# Altium PCB PokeyMain.PcbDoc (part 3 of 3)
Units mm, origin at the board's own origin, x right, y up, seen from the top; angles counter-clockwise.
Board outline 172.97 x 113.16 mm, 2 copper layers (Top Layer, Bottom Layer); 153 components, 194 nets, 688 pads, 309 vias.
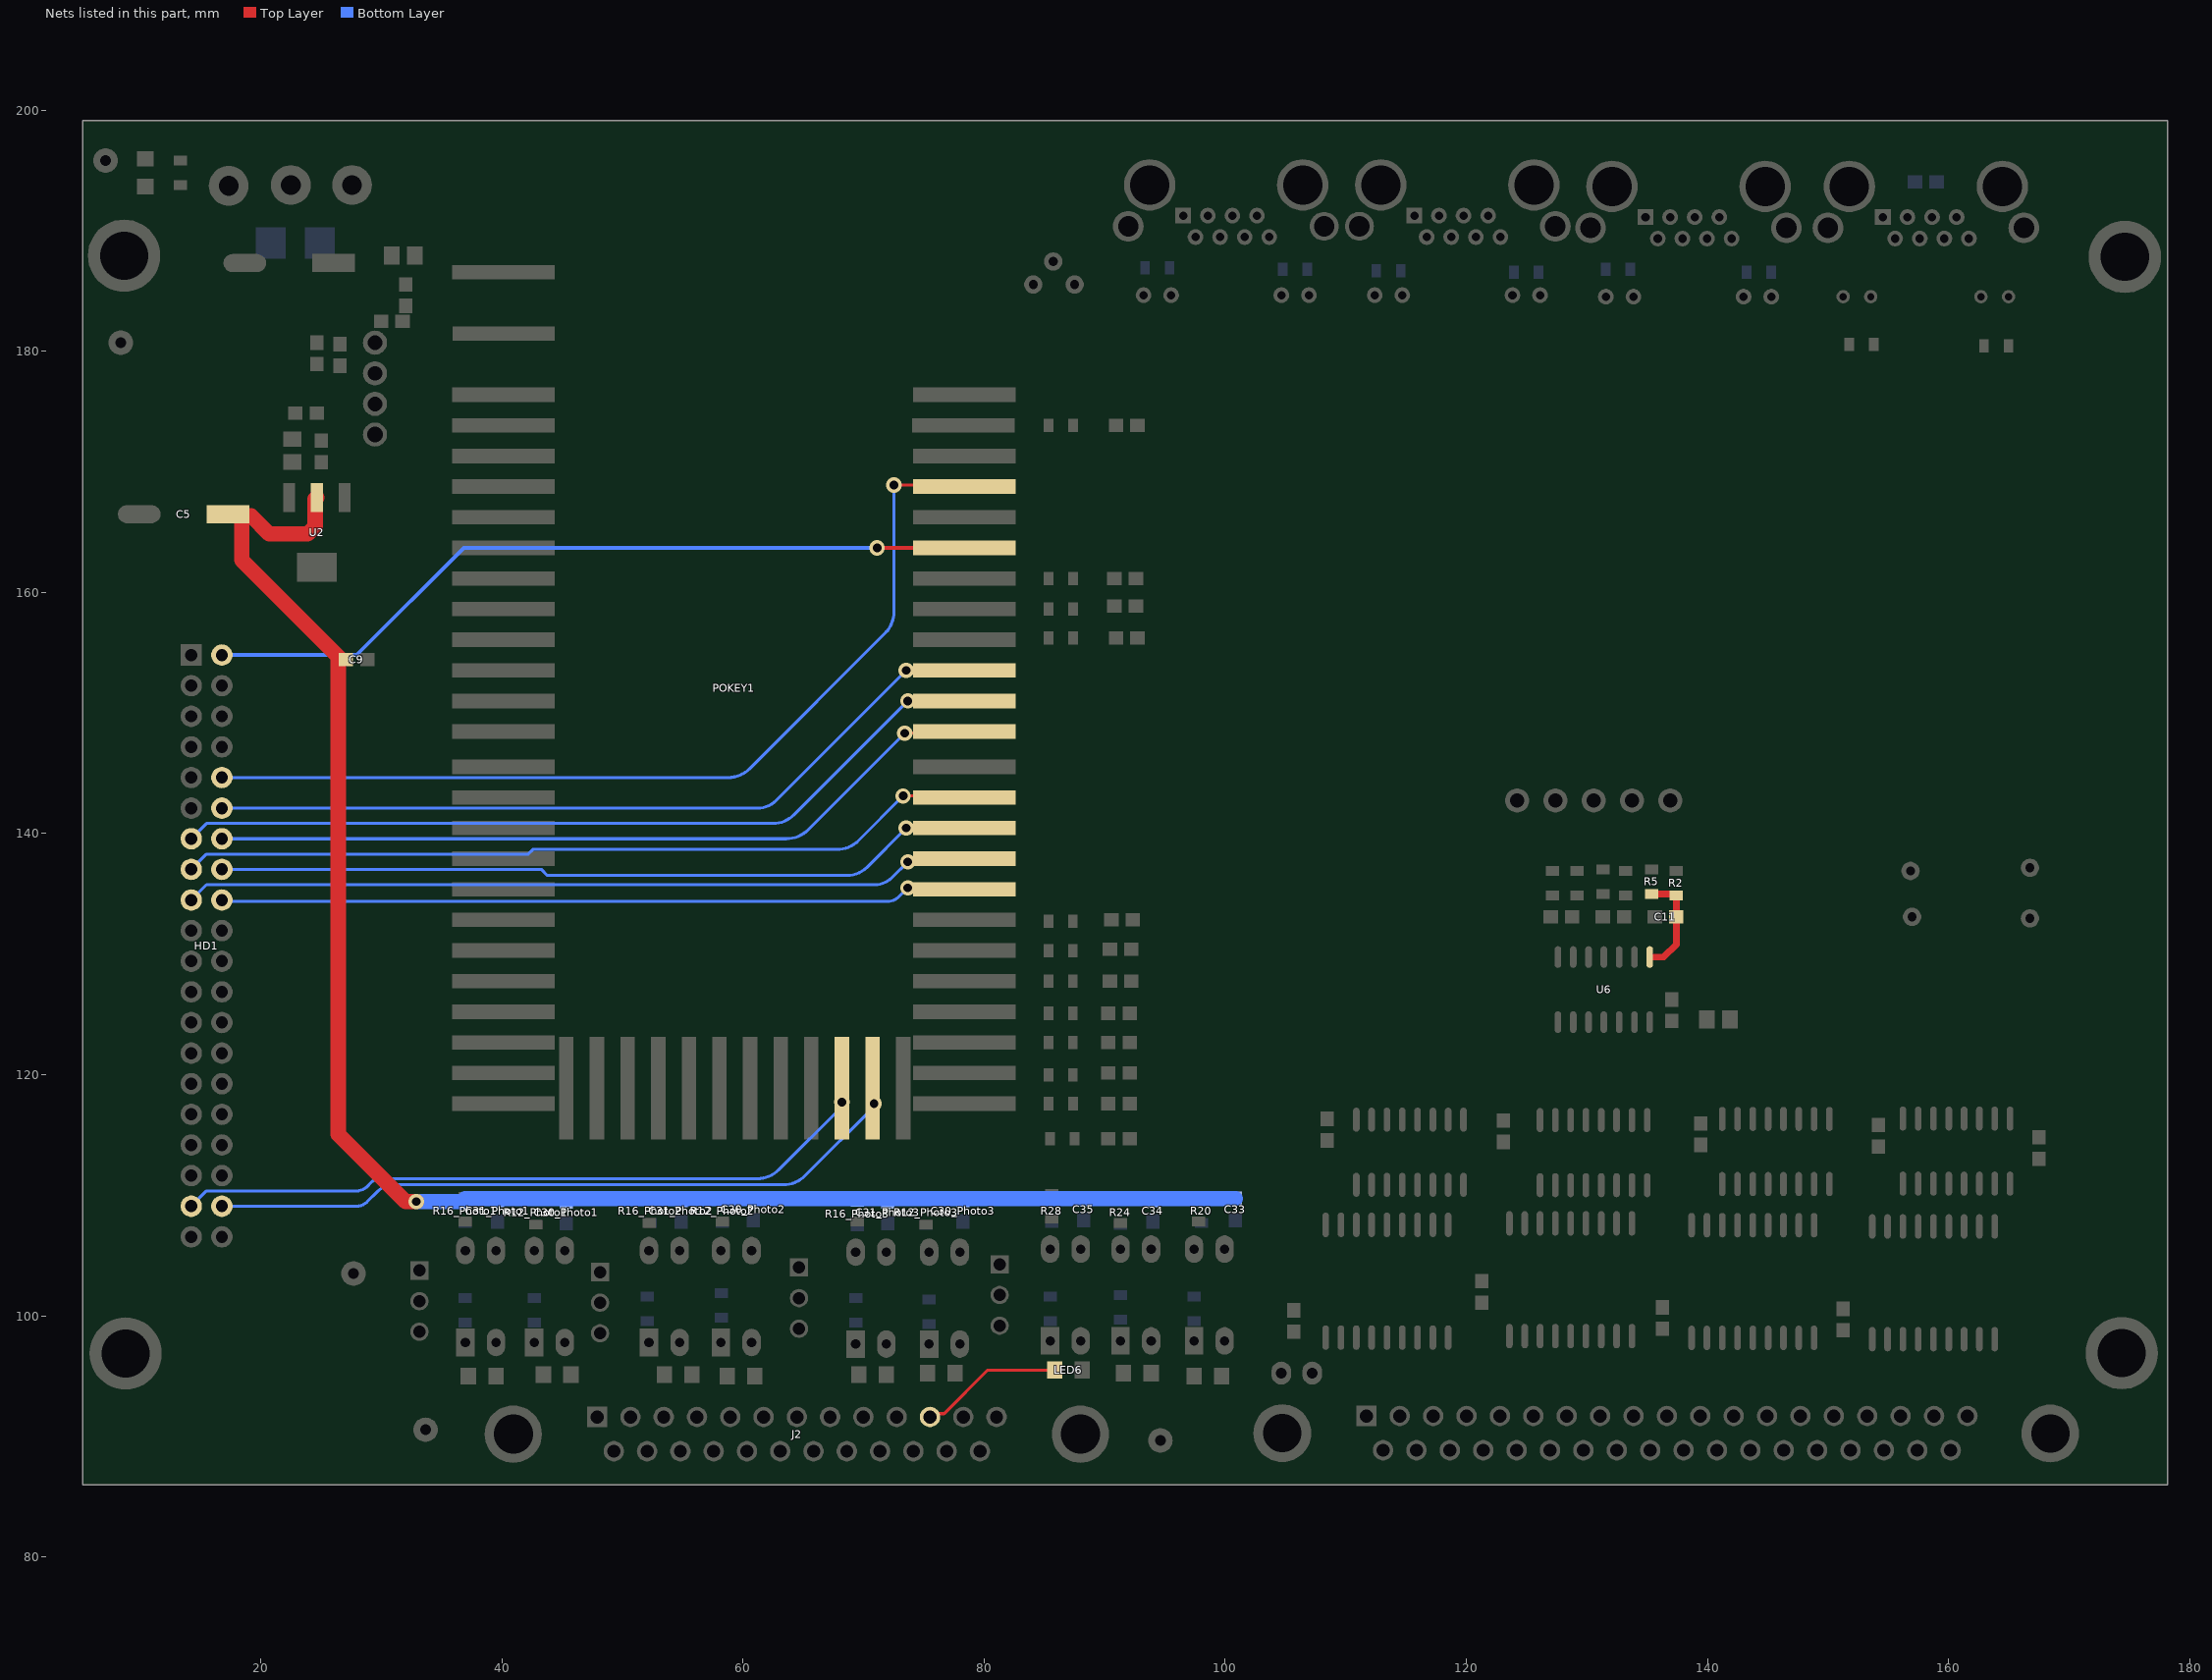
[diagram p3: the nets of this part, all layers, seen from the top]

## Via types
v1: diameter 1.27, hole 0.711, Top Layer to Bottom Layer, tented both sides, 309 vias

## Nets (pads, with @x,y where several pads share a name; then routed paths per layer and width w, separated by ;. In a path a pad name is that pad's centre, name@x,y a point inside that pad or via, vN(x,y) a via of type N, cw(c..) or ccw(c..) an arc to the next point about the centre after c; other vN are vias at no path point) (continued)
P31/SS8: HD1.37 POKEY1.35 | length 58.7
  Top Layer w0.254: v1(68.199,117.729) 68.202,117.732 POKEY1.35@68.202,118.872
  Bottom Layer w0.254: HD1.37@14.224,109.093 15.494,110.363 27.954,110.363 ccw(c27.954,111.555) 28.797,110.712 ; 28.797,110.712 29.146,111.061 cw(c29.913,110.295) 29.913,111.379 61.178,111.379 ccw(c61.178,113.919) 62.974,112.123 68.199,117.348 v1(68.199,117.729)
P32/SS9: HD1.38 POKEY1.36 | length 57.3
  Bottom Layer w0.254: HD1.38@16.764,109.093 27.94,109.093 ccw(c27.94,110.319) 28.807,109.452 ; 28.807,109.452 29.687,110.332 cw(c30.988,109.031) 30.988,110.871 63.337,110.871 ccw(c63.337,113.411) 65.133,111.615 v1@70.866,117.348
  other v1: 70.866,117.602
P41/A0: HD1.18 POKEY1.45 | length 62.1
  Top Layer w0.254: v1(73.66,135.509) 78.235,135.509 POKEY1.45@78.362,135.382
  Bottom Layer w0.254: HD1.18@16.764,134.493 16.891,134.366 71.978,134.366 ccw(c71.978,135.667) 72.898,134.747 v1(73.66,135.509)
P42/A1: HD1.17 POKEY1.46 | length 65.5
  Top Layer w0.254: v1(73.66,137.668) 78.108,137.668 POKEY1.46@78.362,137.922
  Bottom Layer w0.254: HD1.17@14.224,134.493 15.494,135.763 70.947,135.763 ccw(c70.947,137.714) 72.326,136.334 v1(73.66,137.668)
P43/A2: HD1.16 POKEY1.47 | length 63.3
  Top Layer w0.254: v1(73.533,140.462) POKEY1.47@78.362,140.462
  Bottom Layer w0.254: HD1.16@16.764,137.033 43.259,137.033 43.767,136.525 68.611,136.525 ccw(c68.611,138.903) 70.292,137.221 v1(73.533,140.462)
P44/A3: HD1.15 POKEY1.48 | length 66.6
  Top Layer w0.254: v1(73.279,143.129) 78.235,143.129 POKEY1.48@78.362,143.002
  Bottom Layer w0.254: HD1.15@14.224,137.033 15.494,138.303 42.18,138.303 42.561,138.684 67.782,138.684 ccw(c67.782,141.224) 69.578,139.428 v1(73.279,143.129)
P45/A4: HD1.14 POKEY1.50 | length 65.2
  Top Layer w0.254: v1(73.406,148.336) 78.235,148.336 POKEY1.50@78.362,148.463
  Bottom Layer w0.254: HD1.14@16.764,139.573 63.591,139.573 ccw(c63.591,142.113) 65.387,140.317 v1(73.406,148.336)
P46/A5: HD1.13 POKEY1.51 | length 68.8
  Top Layer w0.254: v1(73.66,151.003) POKEY1.51@78.362,151.003
  Bottom Layer w0.254: HD1.13@14.224,139.573 15.494,140.843 62.484,140.843 ccw(c62.484,143.296) 64.218,141.561 v1(73.66,151.003)
P47/A6: HD1.12 POKEY1.52 | length 66.2
  Top Layer w0.254: v1(73.533,153.543) POKEY1.52@78.362,153.543
  Bottom Layer w0.254: HD1.12@16.764,142.113 61.205,142.113 ccw(c61.205,144.281) 62.737,142.747 ccw(c61.205,144.281) 62.738,142.748 v1(73.533,153.543)
P51/LATCH: HD1.2 POKEY1.56 | length 65.3
  Top Layer w0.305: v1(71.12,163.703) POKEY1.56@78.362,163.703
  Bottom Layer w0.305: HD1.2@16.764,154.813 27.94,154.813 36.83,163.703 v1(71.12,163.703)
PUMP: HD1.10 POKEY1.58 | length 78.2
  Top Layer w0.254: v1(72.517,168.91) 78.235,168.91 POKEY1.58@78.362,168.783
  Bottom Layer w0.254: HD1.10@16.764,144.653 58.765,144.653 ccw(c58.765,147.193) 60.561,145.397 71.773,156.609 ccw(c69.977,158.405) 72.517,158.405 v1(72.517,168.91)
SCK1: C11.1 R2.1 R5.1 U6.1 | length 8.8
  Top Layer w0.559: U6.1@135.215,129.761 136.365,129.761 137.414,130.81 C11.1@137.414,133.096 R2.1@137.414,134.874 137.264,134.874 137.137,135.001 R5.1@135.382,135.001
VCC: C5.1 C9.2 C30_Photo1.2 C30_Photo2.2 C30_Photo3.2 C31_Photo1.2 C31_Photo2.2 C31_Photo3.2 C33.2 C34.2 C35.2 R12_Photo1.1 R12_Photo2.1 R12_Photo3.1 R16_Photo1.1 R16_Photo2.1 R16_Photo3.1 R20.1 R24.1 R28.1 U2.2 | length 142.1
  Top Layer w1.27: C5.1@17.272,166.497 17.387,166.382 C5.1@18.415,166.382 ; U2.2@24.638,167.873 24.503,167.738 24.503,165.473 23.876,164.846 20.701,164.846 19.165,166.382 C5.1@18.415,166.382 ; v1(32.893,109.474) 32.004,109.474 26.416,115.062 26.416,154.686 18.415,162.687 C5.1@18.415,166.382
  Bottom Layer w1.27: v1(32.893,109.474) 36.703,109.474 R16_Photo1.1@36.957,109.728 R16_Photo2.1@52.275,109.728 R20.1@98.044,109.728 C33.2@100.838,109.728
Z4: J2.11@75.505,91.613 LED6.2 | length 12
  Top Layer w0.254: J2.11@75.505,91.613 75.78,91.888 76.677,91.888 80.293,95.504 LED6.2@85.852,95.504
pads on no net: *.1 *.2 DC1.4 J2.38 J2.39 J3.S1 J3.S2 J3.S3 J3.S4 J?_KEY1.S1 J?_KEY1.S2 J?_KEY1.S3 J?_KEY1.S4 J?_KEY2.S1 J?_KEY2.S2 J?_KEY2.S3 J?_KEY2.S4 J?_KEY3.S1 J?_KEY3.S2 J?_KEY3.S3 J?_KEY3.S4 POKEY1.2 POKEY1.14 POKEY1.26 POKEY1.49 POKEY1.59 POKEY1.61 U2.4
copper on no net: | length 5.5
  Top Layer w0.254: 34.809,175.93 35.282,176.403 40.132,176.403

## Polygon pours and split planes (outlines as drawn)
GND on Top Layer "GND_L01_P000" (solid, pour order 0): 6.604,87.249 6.985,86.868 171.323,86.868 171.323,92.964 171.45,93.091 169.672,94.869 169.672,99.695 176.022,106.045 176.022,181.356 175.133,182.245 172.212,182.245 170.307,184.15 170.307,196.469 168.402,198.374 6.731,198.374 6.731,193.675 8.636,193.675 12.192,190.119 12.192,182.499 6.731,177.038 6.731,104.521 13.081,98.171 13.081,93.726 10.16,90.805 6.985,90.805 6.604,90.424
GND on Bottom Layer "GND_L02_P001" (solid, pour order 1): 7.605,87.102 7.986,86.721 172.324,86.721 172.324,92.817 172.451,92.944 170.673,94.722 170.673,99.548 177.023,105.898 177.023,181.209 176.134,182.098 173.213,182.098 171.308,184.003 171.308,196.322 169.403,198.227 7.732,198.227 7.732,193.528 9.637,193.528 13.193,189.972 13.193,182.352 7.732,176.891 7.732,104.374 14.082,98.024 14.082,93.579 11.161,90.658 7.986,90.658 7.605,90.277

## Other copper
Top Layer:
  region net +5: 158.194,132.107 158.194,137.822 153.876,137.822 153.876,132.107
  region net +5: 167.386,132.08 167.386,137.795 163.068,137.795 163.068,132.08
  region net +5: 83.566,183.388 88.138,183.388 88.138,186.182 88.265,186.309 84.963,189.611 83.312,189.611 83.312,183.642
Bottom Layer:
  region net +5: 167.386,132.08 167.386,137.795 163.068,137.795 163.068,132.08
  region net +5: 158.194,132.107 158.194,137.822 153.876,137.822 153.876,132.107
  region net +5: 88.138,183.388 88.265,183.515 88.265,186.309 84.963,189.611 83.312,189.611 83.312,183.642 83.566,183.388

## Silkscreen, mask and mechanical layers (free items; w line width, h text height)
Top Overlay:
  circle w0.254: c18.276,167.299 r0.5
  circle w0.254: c174.654,187.907 r3
  circle w0.254: c163.914,193.507 r1.625
  circle w0.254: c151.269,193.789 r1.625
  circle w0.254: c144.654,193.507 r1.625
  circle w0.254: c131.954,193.507 r1.625
  circle w0.254: c125.394,193.507 r1.625
  circle w0.254: c112.694,193.507 r1.625
  circle w0.254: c93.434,193.507 r1.625
  circle w0.254: c97.244,241.366 r1.625
  circle w0.254: c8.654,187.907 r3
  circle w0.254: c174.654,96.907 r3
  circle w0.254: c8.654,96.907 r3
  circle w0.254: c41.284,90.197 r1.4
  circle w0.254: c88.554,90.197 r1.4
  circle w0.254: c104.829,89.935 r1.587
  circle w0.254: c168.583,89.935 r1.587
  lines w0.254: 40.254,193.907 ccw(c40.254,195.407) 40.254,196.907 ccw(c40.254,195.407) 40.254,193.907 ; 78.254,193.907 cw(c78.254,195.407) 78.254,196.907 cw(c78.254,195.407) 78.254,193.907
  text "GND" at 18.242,191.564 h3 r180
  text "VPP" at 32.336,191.47 h3 r180
  text "KEY1" at 107.015,182.326 h2.34 r180
  text "DB25 / Pin1 /  / VPP1  B1  A1  VPP2  B2  A2  VPP3  B3  A3  VPP4  Z4  B4  A4 /  /   VPP1  G   G   VPP2  G   G   VPP3  G   G   VPP4  G   G" at 117.282,156.941 h2
  text "OUTPUT / 1  3  5  7  9   11   13  15  VP1 |  GN | VP2  18  20  22  24  26  28  30  32 /   2  4  6  8  10  12  14  16     GN  | GN    17  19  21  23  25  27  29  31" at 117.348,148.082 h2
  text "CuT" at 146.397,126.619 h3.05 r90
  text "1" at 47.752,93.98 h1.2
Mechanical 1:
  lines w0.013: 5.154,85.907 5.154,198.907 ; 178.154,85.907 178.154,198.907
  lines w0.5: 5.207,85.979 5.207,199.136 178.181,199.136 178.181,85.979 5.207,85.979

## Dimensions
227.711,143.637 to 225.679,155.067 on Drill Guide

## Text inside footprints (layer, text, board x,y; h text height)
C3: Top Overlay "+" at 25.704,186.425 h0.89 r180
C5: Top Overlay "+" at 16.941,165.597 h0.89 r180
J2: Top Overlay "1" at 111.125,94.869 h1.5
J2: Bottom Overlay "1" at 47.189,94.155 h1.5 r270